# Altium PCB Discharge_B2.PcbDoc (part 2 of 2)
Units mm, origin at the board's own origin, x right, y up, seen from the top; angles counter-clockwise.
Board outline 152.4 x 81.92 mm, 4 copper layers (Top Layer, GND, PWR, Bottom Layer), stack 1.369 mm thick; 168 components, 108 nets, 541 pads, 466 vias.
Unrouted connection lines stored in the file: 8.
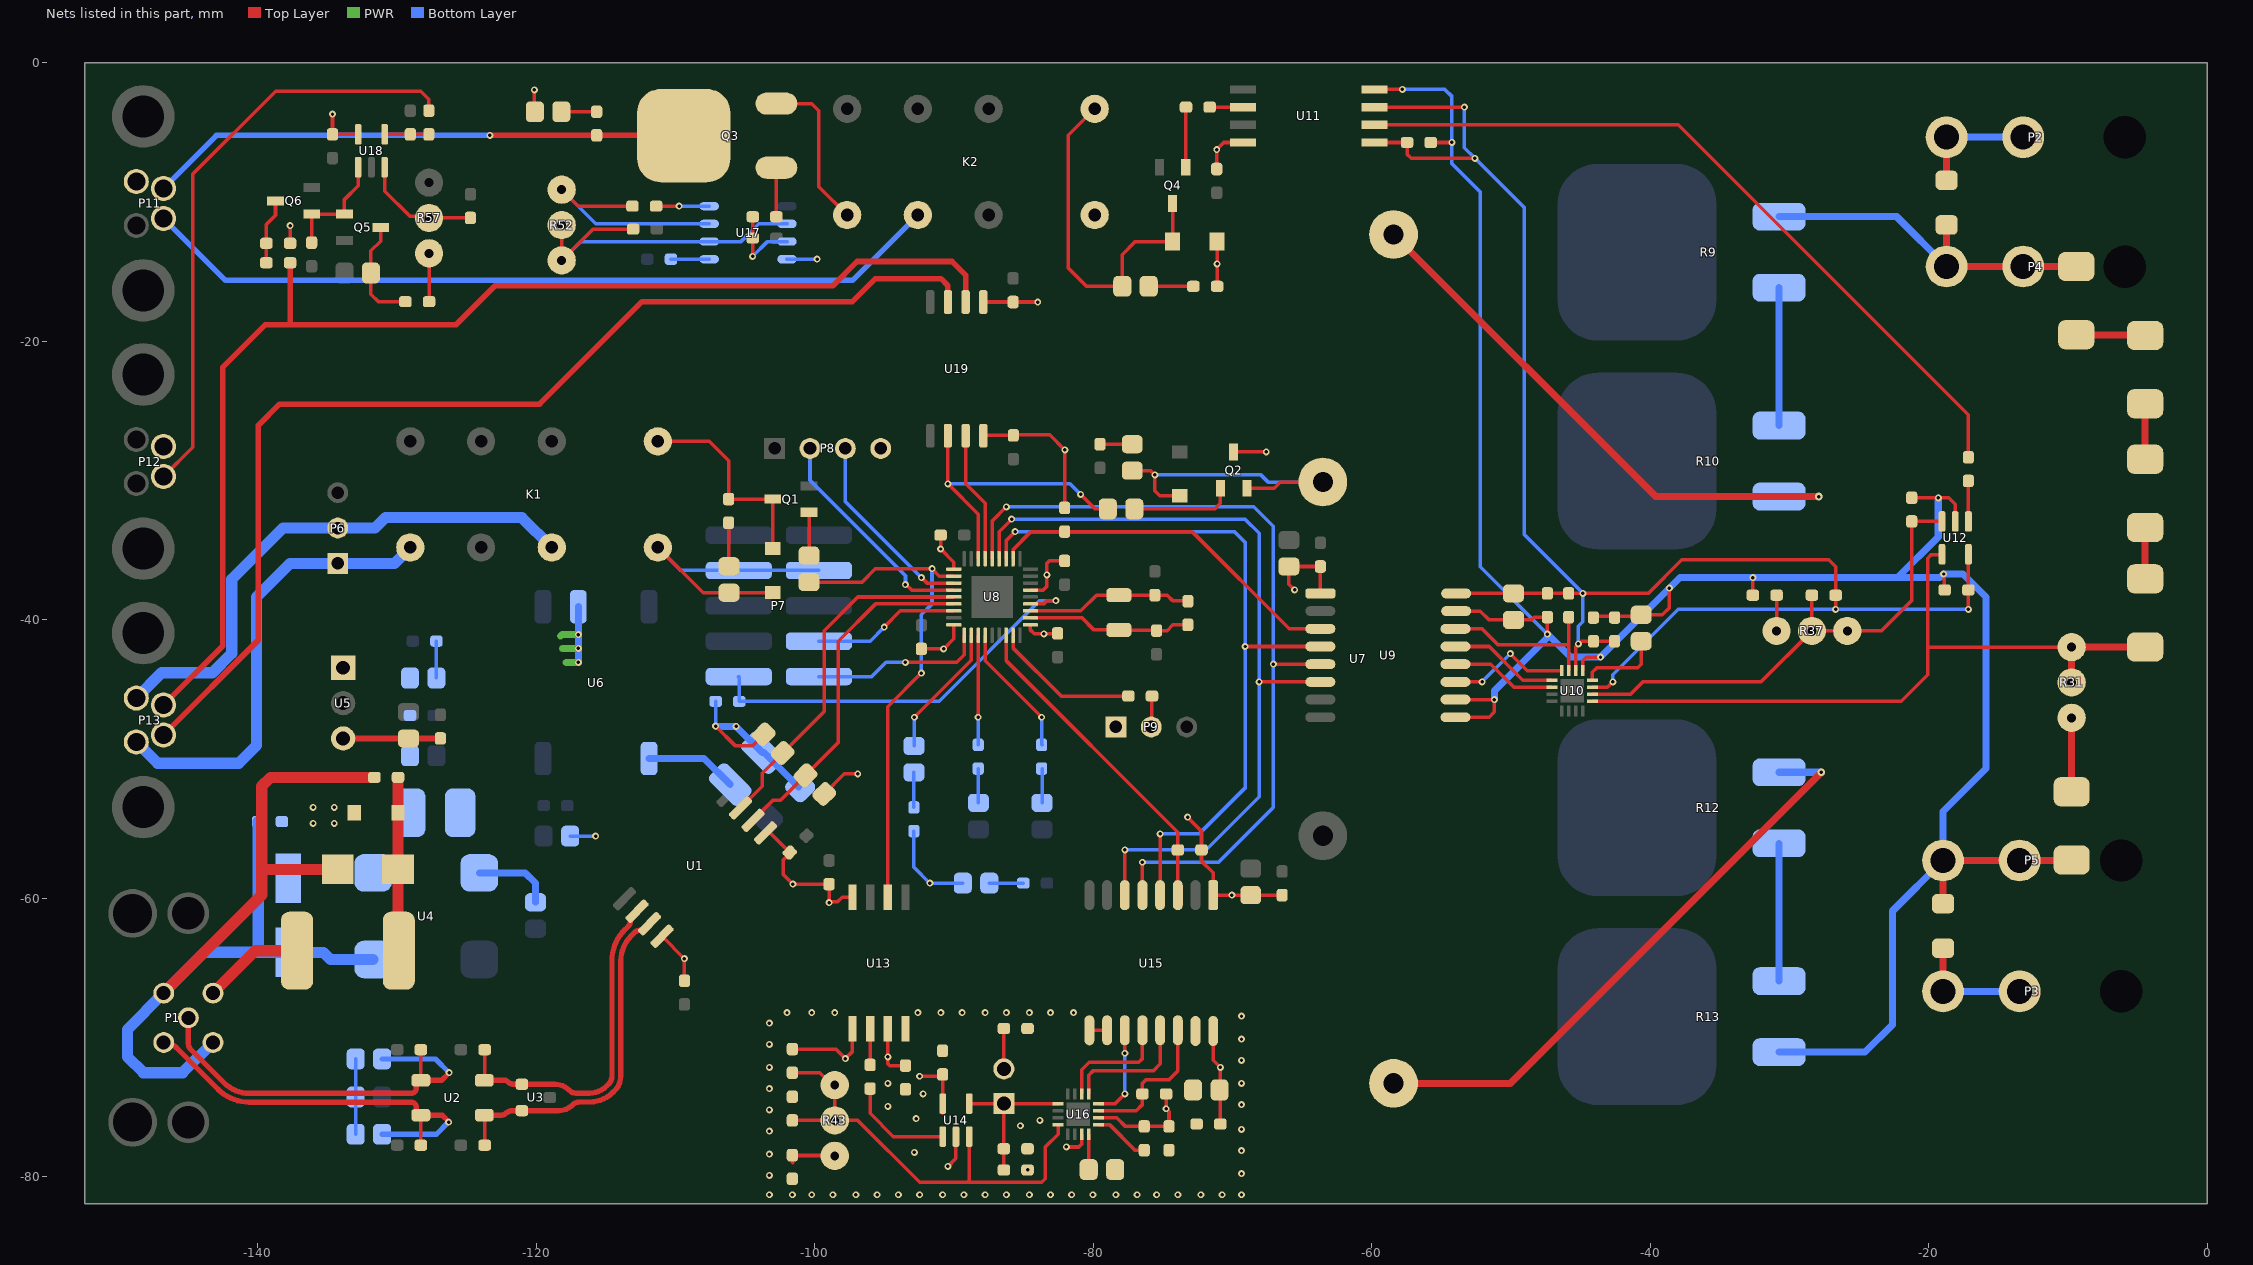
[diagram p4: the nets of this part, all layers, seen from the top]

## Via types
v1: diameter 0.5, hole 0.25, Top Layer to Bottom Layer, 464 vias
v2: diameter 0.55, hole 0.25, Top Layer to Bottom Layer, 2 vias

## Nets (pads, with @x,y where several pads share a name; then routed paths per layer and width w, separated by ;. In a path a pad name is that pad's centre, name@x,y a point inside that pad or via, vN(x,y) a via of type N, cw(c..) or ccw(c..) an arc to the next point about the centre after c; other vN are vias at no path point) (continued)
3V3: C2.2 C19.2 C20.2 C21.2 C22.2 C23.2 C28.1 C29.1 C39.2 C46.1 C47.1 C59.2 D5.A D6.A D7.K K1.1 L2.1 P7.7 P7.8 P8.4 P9.1 Q2.D R15.2 R18.2 R19.2 R20.2 R21.2 R22.2 U1.1 U8.1 U8.6 U8.19 U8.27 U9.1 U13.8 U15.1 U19.8 | length 99.5
  Top Layer w0.254: K1.1@-111.252,-34.798 -108.004,-38.046 D6.A@-106.146,-38.046 -103.019,-38.046 D7.K@-102.997,-38.024 ; v1(-107.11,-47.625) -105.713,-49.022 -104.45,-49.022 R19.2@-103.642,-48.213 ; U1.1@-103.526,-55.293 -103.481,-55.248 -103.239,-55.248 C2.2@-101.786,-56.701 -101.786,-56.768 -102.235,-57.217 -102.235,-58.293 v1(-101.551,-58.977) C39.2@-98.959,-58.977 v1(-98.959,-60.299) -98.912,-60.252 -98.352,-60.252 -98.018,-59.918 U13.8@-97.282,-59.918 ; R18.2@-99.304,-52.498 -97.861,-51.054 v1(-96.901,-51.054) ; C23.2@-92.329,-42.086 v1(-90.727,-42.086) -89.999,-41.358 U8.27@-89.999,-40.354 ; C22.2@-90.949,-33.909 v1(-90.949,-34.908) -89.999,-35.858 U8.19@-89.999,-36.354 ; U19.8@-87.884,-26.771 -87.861,-26.748 C59.2@-85.725,-26.748 -85.686,-26.709 -83.11,-26.709 v1(-82.024,-27.795) ; U8.6@-84.499,-37.854 -83.574,-37.854 -83.312,-37.592 v1(-83.312,-36.767) -83.312,-35.941 -83.136,-35.765 C20.2@-82.042,-35.765 ; U8.1@-84.497,-40.356 U8.1@-84.499,-40.354 -84.499,-40.723 -84.226,-40.996 v1(-83.528,-40.996) C21.2@-82.829,-40.996 ; R21.2@-82.042,-31.955 -82.042,-27.813 v1(-82.024,-27.795) ; v1@-82.006,-27.777 v1(-82.024,-27.795) ; v1(-73.215,-54.165) -72.214,-55.167 R22.2@-72.214,-56.515 -72.214,-57.326 -71.374,-58.166 U15.1@-71.374,-59.766 v1(-70.027,-59.766) C47.1@-68.681,-59.766 C46.1@-66.421,-59.766 ; Q2.D@-69.911,-27.94 v1(-67.564,-27.94) ; v1(-65.532,-37.846) -65.938,-37.44 C29.1@-65.938,-36.165 C28.1@-63.678,-36.165 U9.1@-63.678,-38.1
  Bottom Layer w0.254: K1.1@-111.252,-34.798 -109.601,-36.449 P7.7@-105.445,-36.449 P7.8@-99.695,-36.449 ; v1(-107.11,-47.625) R20.2@-107.11,-45.847 ; L2.1@-103.759,-49.53 L2.1@-103.638,-49.53 ; C19.2@-101.156,-52.013 C19.2@-101.035,-52.013 ; R15.2@-92.863,-55.167 -92.863,-57.759 v1(-91.72,-58.902) D5.A@-89.354,-58.902
  Bottom Layer w0.5: v1(-107.11,-47.625) -107.086,-47.649 v1(-105.64,-47.649) L2.1@-103.759,-49.53 ; L2.1@-103.638,-49.53 C19.2@-101.156,-52.013
5kW: P13.1 R60.1 U19.2 | length 89.3
  Top Layer w0.4: P13.1@-146.759,-46.118 -142.494,-41.853 -142.494,-21.844 -139.446,-18.796 -137.668,-18.796 ; R60.1@-137.668,-14.351 -137.668,-16.002 -137.668,-18.796 ; U19.2@-89.154,-17.171 -89.154,-15.24 -90.131,-14.263 -96.94,-14.263 -98.679,-16.002 -122.936,-16.002 -125.73,-18.796 -137.668,-18.796
5V: C1.2 C14.2 C15.2 C35.2 C56.2 C58.2 D4.A D13.A D14.K K2.1 P11.3 P12.1 R50.1 R54.2 R56.2 R57.1 R59.2 U1.8 U5.3 U6.2 U11.8 U17.4 U17.8 U18.5 U19.1 | length 46.1
  Top Layer w0.254: R59.2@-137.668,-12.954 v1(-137.668,-11.684) ; v1(-134.62,-3.683) C56.2@-134.62,-5.131 U18.5@-132.776,-5.131 ; R56.2@-127.686,-17.145 R57.1@-127.686,-13.675 ; D13.A@-120.142,-3.424 -120.115,-3.397 v1(-120.115,-1.932) ; R50.1@-111.379,-10.287 v1(-109.728,-10.287) ; U1.8@-110.95,-62.717 v1(-109.347,-64.321) C1.2@-109.347,-65.913 ; U19.1@-87.884,-17.171 C58.2@-85.743,-17.171 v1(-83.973,-17.171) ; C35.2@-71.12,-7.62 v1(-71.12,-6.223) -70.612,-5.715 U11.8@-69.241,-5.715 ; R54.2@-71.095,-16.043 D14.K@-71.095,-12.827
  Top Layer w0.4: U5.3@-133.858,-48.514 C15.2@-129.164,-48.514 C14.2@-126.873,-48.514
  PWR w0.5: -118.237,-41.148 -118.141,-41.052 v1(-116.967,-41.052) ; -118.11,-42.037 v1(-116.967,-42.037) ; -117.856,-43.053 v1(-116.967,-43.053)
  Bottom Layer w0.254: D4.A@-117.553,-55.525 v1(-115.723,-55.525) ; v1(-109.728,-10.287) U17.8@-107.569,-10.287 ; U17.4@-101.981,-14.097 v1(-99.822,-14.097)
  Bottom Layer w0.5: v1(-116.967,-43.053) v1(-116.967,-42.037) v1(-116.967,-41.052) U6.2@-116.967,-39.05
  other v1: -71.095,-14.435
BOOT0: P9.2 R23.1 | length 2.2
  Top Layer w0.254: P9.2@-75.819,-47.689 -75.795,-47.664 -75.795,-45.491 R23.1@-75.77,-45.466
CAN1_F_N: C5.2 U1.6 U2.3 U3.1 | length 24.6
  Top Layer w0.254: U2.3@-123.698,-73.043 C5.2@-123.698,-70.866
  Top Layer w0.381: U2.3@-123.72,-73.065 -122.257,-73.065 cw(c-122.257,-73.362) -122.047,-73.152 ccw(c-121.581,-72.686) -121.581,-73.345 U3.1@-121.015,-73.345 -118.669,-73.345 cw(c-118.669,-74.854) -117.602,-73.787 ccw(c-117.124,-73.309) -117.124,-73.985 -116.16,-73.985 ccw(c-116.16,-72.251) -114.934,-73.478 -114.785,-73.328 ccw(c-115.342,-72.771) -114.554,-72.771 -114.554,-64.491 cw(c-111.384,-64.491) -113.625,-62.249 -113.382,-62.006 ccw(c-113.766,-61.623) -113.224,-61.623 cw(c-112.682,-61.623) -113.065,-61.24 U1.6@-112.746,-60.921
CAN1_F_P: C6.2 U1.7 U2.4 U3.2 | length 25.1
  Top Layer w0.254: U2.4@-123.72,-75.565 -123.698,-75.587 C6.2@-123.698,-77.724
  Top Layer w0.381: U2.4@-123.72,-75.565 -122.481,-75.565 ccw(c-122.481,-75.131) -122.174,-75.438 cw(c-121.708,-75.904) -121.708,-75.245 U3.2@-121.015,-75.245 -118.415,-75.245 ccw(c-118.415,-73.736) -117.348,-74.803 cw(c-116.906,-75.245) -116.906,-74.62 -116.159,-74.62 ccw(c-116.159,-72.254) -115.881,-74.604 -115.855,-74.6 ccw(c-116.16,-72.251) -114.715,-74.128 -114.695,-74.113 ccw(c-116.159,-72.254) -114.486,-73.927 -114.334,-73.775 ccw(c-115.336,-72.774) -113.919,-72.774 -113.919,-64.493 cw(c-111.379,-64.493) -113.175,-62.697 -112.933,-62.455 cw(c-112.55,-62.839) -112.55,-62.297 ccw(c-112.55,-61.755) -112.167,-62.138 U1.7@-111.848,-61.819
CAN1_N: C3.2 P1.5 R2.1 U2.2 | length 30.3
  Top Layer w0.254: U2.2@-128.27,-73.065 C3.2@-128.27,-70.866
  Top Layer w0.381: P1.5@-144.971,-68.573 -144.971,-70.405 ccw(c-144.319,-70.405) -144.78,-70.866 -142.392,-73.254 ccw(c-140.596,-71.457) -140.596,-73.997 -128.981,-73.997 ccw(c-128.981,-73.616) -128.712,-73.886 ccw(c-128.981,-73.616) -128.6,-73.616 -128.6,-73.548 cw(c-128.054,-73.548) -128.44,-73.162 -128.395,-73.117 cw(c-128.27,-73.242) U2.2@-128.27,-73.065 -126.786,-73.065 v1(-126.238,-72.517)
  Bottom Layer w0.381: R2.1@-131.054,-71.527 -127.228,-71.527 v1(-126.238,-72.517)
CAN1_P: C4.2 P1.4 R1.2 U2.1 | length 30.2
  Top Layer w0.254: C4.2@-128.27,-77.724 U2.1@-128.27,-75.565
  Top Layer w0.381: P1.4@-146.741,-70.343 cw(c-146.741,-71.647) -145.819,-70.725 -142.841,-73.704 ccw(c-140.598,-71.461) -140.598,-74.633 -128.981,-74.632 cw(c-128.981,-75.013) -128.712,-74.744 cw(c-128.981,-75.013) -128.6,-75.013 -128.6,-75.082 ccw(c-128.054,-75.082) -128.44,-75.468 -128.395,-75.513 ccw(c-128.27,-75.388) U2.1@-128.27,-75.565 -126.746,-75.565 v1@-126.238,-76.073
  Bottom Layer w0.381: R1.2@-131.054,-76.936 -127.146,-76.936 v1(-126.281,-76.07)
CAN_RX_INDC: R17.2 U8.31 | length 9.6
  Top Layer w0.254: U8.31@-87.749,-41.104 -87.749,-42.934 v1(-83.693,-46.99)
  Bottom Layer w0.254: v1(-83.693,-46.99) -83.693,-48.947 R17.2@-83.667,-48.973
CAN_TX_INDC: R16.2 U8.30 | length 7.9
  Top Layer w0.254: v1(-88.249,-46.99) U8.30@-88.249,-41.104
  Bottom Layer w0.254: R16.2@-88.249,-48.973 v1(-88.249,-46.99)
CLK_ADC: U15.13 U16.13 | length 9.2
  Top Layer w0.254: U16.13@-80.313,-74.041 -80.313,-72.693 -80.01,-72.39 -75.692,-72.39 -75.184,-71.882 U15.13@-75.184,-69.468
CLK_HV: U9.13 U10.13 | length 7.9
  Top Layer w0.254: U9.13@-53.976,-41.91 -51.562,-41.91 -49.133,-44.339 U10.13@-47.047,-44.339
Clock: R51.1 R53.1 U17.3 | length 5.7
  Top Layer w0.254: v1(-104.443,-13.892) R53.1@-104.443,-12.573 R51.1@-104.443,-11.049
  Bottom Layer w0.254: v1(-104.443,-13.892) -103.378,-12.827 U17.3@-101.981,-12.827
CS_ADC: R45.1 U15.14 U16.11 | length 10.7
  Top Layer w0.254: U16.11@-79.613,-75.241 -76.892,-75.241 -76.454,-74.803 R45.1@-76.454,-74.041 -76.454,-73.279 -76.2,-73.025 -74.549,-73.025 -73.914,-72.39 U15.14@-73.914,-69.468
CS_HV: R26.1 U9.14 U10.11 | length 12.5
  Top Layer w0.254: U9.14@-53.976,-40.64 -52.07,-40.64 -50.927,-41.783 -45.91,-41.783 -45.847,-41.719 ; U10.11@-45.847,-43.639 -45.847,-41.719 ; R26.1@-45.847,-39.8 -45.847,-41.719
Discharge: R50.2 R52.3 U17.7 | length 17.2
  Top Layer w0.254: R52.3@-118.161,-9.103 -116.977,-10.287 R50.2@-113.079,-10.287
  Bottom Layer w0.254: R52.3@-118.161,-9.103 -115.707,-11.557 U17.7@-107.569,-11.557
DISCHARGE_DISABLE: P13.2 U19.3 | length 80.3
  Top Layer w0.4: P13.2@-146.759,-48.268 -139.954,-41.463 -139.954,-26.035 -138.425,-24.506 -119.756,-24.506 -112.395,-17.145 -97.282,-17.145 -95.631,-15.494 -90.932,-15.494 -90.424,-16.002 U19.3@-90.424,-17.171
GL_IN: K1.4 P6.2 P13.3 | length 39.2
  Bottom Layer w0.8: P13.3@-148.709,-45.618 -146.886,-43.795 -143.236,-43.795 -141.859,-42.418 -141.859,-37.084 -138.176,-33.401 P6.2@-134.239,-33.401 -131.572,-33.401 -130.81,-32.639 -121.031,-32.639 K1.4@-118.872,-34.798
GL_OUT: K1.8 P6.1 P13.4 | length 33
  Bottom Layer w0.8: P13.4@-148.709,-48.768 -147.185,-50.292 -141.351,-50.292 -140.081,-49.022 -140.081,-38.354 -137.668,-35.941 P6.1@-134.239,-35.941 -131.953,-35.941 -130.175,-35.941 K1.8@-129.032,-34.798
GLV+: F1.1 P1.2 | length 7.3
  Top Layer w0.8: P1.2@-143.201,-66.803 -140.152,-63.754 F1.1@-137.16,-63.754
GLV-: C11.1 C12.1 C13.1 D3.K P1.1 P1.3 U4.4 | length 70.6
  Top Layer w0.8: P1.3@-146.741,-66.803 -139.7,-59.762 -139.7,-57.912 ; D3.K@-134.251,-57.912 -139.7,-57.912 ; C11.1@-131.615,-51.308 -139.065,-51.308 -139.7,-51.943 -139.7,-57.912
  Bottom Layer w0.254: C13.1@-137.795,-63.864 C13.1@-137.778,-63.881
  Bottom Layer w0.8: P1.1@-143.201,-70.343 -145.375,-72.517 -148.209,-72.517 -149.352,-71.374 -149.352,-69.414 P1.3@-146.741,-66.803 -143.802,-63.864 -139.954,-63.864 ; C12.1@-139.954,-54.483 -139.954,-63.864 ; C13.1@-137.795,-63.864 -139.954,-63.864 ; C13.1@-137.778,-63.881 -135.255,-63.881 -134.75,-64.386 U4.4@-131.699,-64.386
GND_PDOC: C40.1 C41.1 C42.1 C43.1 C44.2 C45.2 C48.1 C49.1 C50.1 R41.1 R44.1 U13.4 U14.2 U15.9 U15.10 U15.15 U16.9 | length 7
  Top Layer w0.254: v1(-90.424,-79.248) -89.85,-78.674 U14.2@-89.85,-77.8 ; U15.9@-80.264,-69.469 U15.10@-78.994,-69.468 ; U16.9@-79.613,-76.241 -78.826,-76.241 -76.991,-78.076 C49.1@-76.327,-78.076
  other v1: -103.251,-81.28 -101.6,-81.28 -100.203,-81.28 -98.679,-81.28 -97.028,-81.28 -95.504,-81.28 -93.98,-81.28 -92.456,-81.28 -90.805,-81.28 -89.281,-81.28 -87.757,-81.28 -86.233,-81.28 -84.582,-81.28 -83.058,-81.28 -81.534,-81.28 -80.01,-81.28 -78.359,-81.28 -76.835,-81.28 -75.438,-81.28 -73.914,-81.28 -72.263,-81.28 -70.739,-81.28 -69.342,-81.28 -103.251,-79.883 -69.342,-79.756 -103.251,-78.359 -92.837,-78.232 -69.342,-78.105 -103.251,-76.708 -69.342,-76.581 -85.217,-76.327 -83.82,-75.946 -92.71,-75.819 -103.251,-75.184 -94.742,-74.93 -69.342,-74.803 -92.202,-74.041 -103.251,-73.66 -94.742,-73.279 -69.342,-73.279 -103.251,-72.136 -69.342,-71.628 -103.251,-70.485 -69.342,-70.104 -103.251,-68.961 -69.342,-68.453 -101.981,-68.199 -100.203,-68.199 -98.552,-68.199 -92.583,-68.199 -90.932,-68.199 -89.408,-68.199 -87.757,-68.199 -86.233,-68.199 -84.582,-68.199 -83.058,-68.199 -81.407,-68.199
HB: D10.K U8.29 | length 9.6
  Top Layer w0.254: v1(-92.837,-46.99) -88.749,-42.902 U8.29@-88.749,-41.104
  Bottom Layer w0.254: D10.K@-92.837,-49.025 v1(-92.837,-46.99)
HIGH_SENSE: P12.2 R58.1 | length 43.1
  Top Layer w0.254: P12.2@-146.759,-29.701 -144.653,-27.595 -144.653,-7.981 -138.704,-2.032 -128.27,-2.032 -127.701,-2.601 R58.1@-127.701,-3.431
"HV MC-": C26.2 C27.2 C30.1 C31.1 C32.1 C36.1 C37.1 C38.1 P5.1 P5.2 R13.2 R33.1 R38.1 R63.2 U9.9 U9.10 U9.15 U10.9 U11.4 U12.2 | length 183.1
  Top Layer w0.254: U11.4@-59.791,-1.905 v1(-57.785,-1.905) ; C36.1@-55.753,-5.715 v1(-54.229,-5.715) ; U9.10@-53.976,-45.72 v1(-51.181,-45.72) -51.181,-46.609 -51.562,-46.99 U9.9@-53.975,-46.99 ; U9.15@-53.925,-39.37 -52.197,-39.37 -51.567,-40 C27.2@-49.81,-40 -48.509,-40 -48.309,-39.8 C26.2@-47.371,-39.8 v1(-47.371,-41.021) ; U10.9@-44.847,-43.639 -44.845,-43.637 -44.845,-42.94 -44.577,-42.672 v1(-43.561,-42.672) ; C32.1@-44.069,-39.829 -43.969,-39.729 -40.74,-39.729 C30.1@-40.64,-39.629 -39.121,-39.629 -38.608,-39.116 v1(-38.608,-37.719) ; R38.1@-32.617,-38.227 v1(-32.617,-36.957) ; C37.1@-21.209,-31.231 -18.553,-31.231 -18.087,-31.697 U12.2@-18.087,-32.931 ; v1(-18.923,-36.703) -18.884,-36.742 -18.884,-37.807 C38.1@-18.845,-37.846 ; R33.1@-9.764,-57.277 R33.1@-9.728,-57.241
  Top Layer w0.508: R63.2@-18.962,-60.376 P5.2@-18.962,-57.277 P5.1@-13.462,-57.277 R33.1@-9.764,-57.277
  Bottom Layer w0.254: v1(-57.785,-1.905) -54.737,-1.905 -54.229,-2.413 v1(-54.229,-5.715) -54.229,-7.239 -52.197,-9.271 -52.197,-36.195 v1(-47.371,-41.021)
  Bottom Layer w0.508: v1(-51.181,-45.72) -51.181,-45.085 -47.371,-41.275 v1(-47.371,-41.021) -45.72,-42.672 v1(-43.561,-42.672) v1(-38.608,-37.719) -37.846,-36.957 v1(-32.617,-36.957) -22.225,-36.957 ; R13.2@-30.737,-71.042 -24.56,-71.042 -22.606,-69.088 -22.606,-60.921 P5.2@-18.962,-57.277 -18.962,-53.76 -15.875,-50.673 -15.875,-38.354 -17.526,-36.703 v1(-18.923,-36.703) -19.177,-36.957 -22.225,-36.957 ; v1(-19.304,-31.242) -19.304,-34.036 -22.225,-36.957
HV_MC+: P4.1 P4.2 R9.1 R25.2 R62.2 | length 25.8
  Top Layer w0.508: R62.2@-18.708,-11.633 P4.2@-18.708,-14.622 P4.1@-13.208,-14.622 R25.2@-9.398,-14.622
  Bottom Layer w0.508: R9.1@-30.737,-11.043 -22.287,-11.043 P4.2@-18.708,-14.622
HVVDD: C26.1 C27.1 C31.2 C32.2 C36.2 C38.2 R26.2 R35.2 U9.16 U10.7 U10.10 U11.1 U11.3 U12.5 | length 126.6
  Top Layer w0.254: U11.1@-59.791,-5.715 C36.2@-57.453,-5.715 -57.453,-6.555 -57.15,-6.858 v1(-52.578,-6.858) ; U11.3@-59.791,-3.175 v1(-53.34,-3.175) ; U9.16@-53.925,-38.1 C27.1@-49.81,-38.1 C26.1@-47.371,-38.1 R26.2@-45.847,-38.1 v1(-44.831,-38.1) -40.132,-38.1 -37.719,-35.687 -27.178,-35.687 -26.673,-36.192 -26.673,-39.24 v1(-26.67,-39.243) ; U10.10@-45.347,-43.639 -45.347,-41.918 v1(-45.153,-41.724) -44.958,-41.529 C32.2@-44.069,-41.529 C31.2@-42.545,-41.529 ; U10.7@-44.147,-44.839 -43.061,-44.839 v1(-42.672,-44.45) ; v1(-17.145,-39.243) C38.2@-17.145,-37.846 -17.141,-37.842 -17.141,-35.297 U12.5@-17.137,-35.293
  Bottom Layer w0.254: v1(-53.34,-3.175) -53.34,-6.096 v1(-52.578,-6.858) -49.022,-10.414 -49.022,-33.874 -44.831,-38.065 v1(-44.831,-38.1) -44.831,-40.132 -45.153,-40.454 v1(-45.153,-41.724) ; v1(-42.672,-44.45) -42.672,-43.942 -37.973,-39.243 v1(-26.67,-39.243) v1(-17.145,-39.243)
MISO_ADC: U15.11 U16.12 | length 6.8
  Top Layer w0.254: U16.12@-79.613,-74.741 -78.424,-74.741 v1(-77.724,-74.041) ; v1(-77.724,-71.12) U15.11@-77.724,-69.468
  Bottom Layer w0.254: v1(-77.724,-74.041) v1(-77.724,-71.12)
MISO_HV: U9.11 U10.12 | length 9
  Top Layer w0.254: U9.11@-53.976,-44.45 v1(-52.07,-44.45) ; v1(-50.038,-42.418) -48.817,-43.639 U10.12@-46.347,-43.639
  Bottom Layer w0.254: v1(-52.07,-44.45) v1(-50.038,-42.418)
MOSI_ADC: U15.12 U16.14 | length 8.5
  Top Layer w0.254: U16.14@-80.813,-74.041 -80.813,-72.304 -80.264,-71.755 -76.708,-71.755 -76.454,-71.501 U15.12@-76.454,-69.468
MOSI_HV: U9.12 U10.14 | length 7.6
  Top Layer w0.254: U9.12@-53.976,-43.18 -51.435,-43.18 -49.776,-44.839 U10.14@-47.047,-44.839
NetC7_2: C7.2 R1.1 R2.2 | length 5.4
  Bottom Layer w0.254: R1.1@-132.954,-76.936 C7.2@-132.954,-74.263 R2.2@-132.954,-71.527
NetC8_2: C8.2 L1.2 U4.2 | length 5.7
  Bottom Layer w0.5: U4.2@-124.079,-58.166 -120.777,-58.166 -120.041,-58.902 C8.2@-120.041,-60.276
NetC11_2: C11.2 D1.A D3.A F1.2 | length 12.5
  Top Layer w0.254: F1.2@-129.915,-63.699 F1.2@-129.86,-63.754
  Top Layer w0.8: F1.2@-129.915,-63.699 -129.915,-57.658 D1.A@-129.915,-53.848 C11.2@-129.915,-51.308
NetC24_2: C24.2 R24.1 U8.2 X1.1 | length 11.8
  Top Layer w0.254: U8.2@-84.499,-39.854 -80.796,-39.854 -79.929,-40.721 X1.1@-78.149,-40.721 -78.126,-40.744 -75.461,-40.744 C24.2@-75.438,-40.767 -74.676,-40.767 -74.269,-40.36 R24.1@-73.196,-40.36
NetC25_2: C25.2 R24.2 U8.3 X1.2 | length 12
  Top Layer w0.254: U8.3@-84.499,-39.354 -80.883,-39.354 -79.75,-38.221 X1.2@-78.149,-38.221 C25.2@-75.565,-38.221 -74.682,-38.221 -74.295,-38.608 -73.248,-38.608 R24.2@-73.196,-38.66
NetC30_2: C30.2 U10.8 | length 6
  Top Layer w0.254: U10.8@-44.147,-44.339 -44.147,-43.766 -43.815,-43.434 -40.894,-43.434 -40.64,-43.18 C30.2@-40.64,-41.529
NetC37_2: C37.2 R35.1 R37.1 R37.2 U10.6 U12.3 | length 36.1
  Top Layer w0.254: U10.6@-44.147,-45.339 -41.402,-45.339 -40.513,-44.45 -32.034,-44.45 R37.2@-28.377,-40.793 ; R35.1@-28.377,-38.227 R37.2@-28.377,-40.793 ; U12.3@-19.037,-32.931 C37.2@-21.209,-32.931 -21.209,-38.608 -23.394,-40.793 R37.1@-25.837,-40.793 R37.2@-28.377,-40.793
NetC40_2: C40.2 P10.2 R39.1 U14.4 U16.1 | length 11.1
  Top Layer w0.254: U14.4@-88.9,-74.741 P10.2@-86.409,-74.741 ; R39.1@-86.409,-79.502 C40.2@-86.409,-77.978 P10.2@-86.409,-74.741 ; U16.1@-82.513,-74.741 P10.2@-86.409,-74.741
NetC43_2: C43.2 R42.1 R43.1 R43.2 U14.3 U16.4 | length 33.2
  Top Layer w0.254: C43.2@-101.6,-75.946 R43.2@-98.552,-75.946 ; R42.1@-101.6,-72.517 -99.639,-72.517 R43.1@-98.75,-73.406 ; R43.1@-98.75,-73.914 -98.552,-73.914 R43.2@-98.552,-75.946 ; U14.3@-88.9,-77.103 -88.9,-80.242 -89.049,-80.391 ; U16.4@-82.513,-76.241 -82.513,-76.925 -83.439,-77.851 -83.439,-80.137 -83.693,-80.391 -89.049,-80.391 ; R43.2@-98.552,-75.946 -96.901,-75.946 -92.456,-80.391 -89.049,-80.391
NetC48_2: C48.2 U16.8 | length 2.5
  Top Layer w0.254: C48.2@-80.313,-79.476 U16.8@-80.313,-76.941
NetC53_2: C53.2 U17.5 | length 2.7
  Bottom Layer w0.254: C53.2@-110.314,-14.097 U17.5@-107.569,-14.097
NetC55_2: C55.2 R57.2 U18.3 | length 8.7
  Top Layer w0.254: U18.3@-130.876,-7.493 -130.876,-9.205 -129.083,-10.998 -127.823,-10.998 R57.2@-127.686,-11.135 C55.2@-124.714,-11.135
NetC57_2: C57.2 R58.2 U18.4 | length 3.4
  Top Layer w0.254: U18.4@-130.876,-5.131 -128.839,-5.131 R58.2@-127.508,-5.131
NetD2_K: D2.K R3.2 | length 2.6
  Bottom Layer w0.254: D2.K@-127.154,-44.17 R3.2@-127.154,-41.529
NetD5_K: D5.K R6.2 | length 2.4
  Bottom Layer w0.254: D5.K@-87.454,-58.902 R6.2@-85.012,-58.902
NetD6_K: D6.K R7.2 | length 3.1
  Top Layer w0.254: R7.2@-106.172,-33.02 -106.172,-36.12 D6.K@-106.146,-36.146
NetD7_A: D7.A K1.16 Q1.D R7.1 | length 15.1
  Top Layer w0.254: K1.16@-111.252,-27.178 -107.569,-27.178 -106.172,-28.575 R7.1@-106.172,-31.32 Q1.D@-102.997,-31.32 D7.A@-102.997,-34.874
NetD8_A: D8.A D9.K Q2.S U7.2 | length 22.7
  Top Layer w0.254: D8.A@-77.19,-29.283 -75.873,-29.283 v1(-75.565,-29.591) -75.565,-30.734 -75.209,-31.09 D9.K@-73.787,-31.09 ; Q2.S@-68.961,-30.54 -66.989,-30.54 -66.548,-30.099 U7.2@-63.5,-30.099
  Bottom Layer w0.254: v1(-75.565,-29.591) -67.945,-29.591 -67.437,-30.099 U7.2@-63.5,-30.099
NetD8_K: D8.K R11.2 | length 2.3
  Top Layer w0.254: R11.2@-79.502,-27.383 D8.K@-77.19,-27.383
NetD10_A: D10.A R15.1 | length 2.5
  Bottom Layer w0.254: R15.1@-92.863,-53.467 D10.A@-92.863,-50.952
NetD11_A: D11.A R16.1 | length 2.5
  Bottom Layer w0.254: D11.A@-88.249,-53.14 R16.1@-88.249,-50.673
NetD12_A: D12.A R17.1 | length 2.5
  Bottom Layer w0.254: D12.A@-83.667,-53.14 R17.1@-83.667,-50.673
NetD13_K: D13.K R49.2 | length 2.5
  Top Layer w0.254: D13.K@-118.11,-3.556 -118.061,-3.507 R49.2@-115.648,-3.507
NetD14_A: D14.A D15.K K2.16 Q4.D | length 25.7
  Top Layer w0.254: K2.16@-79.883,-3.302 -81.788,-5.207 -81.788,-14.732 -80.477,-16.043 D15.K@-77.904,-16.043 -77.904,-13.769 -76.962,-12.827 D14.A@-74.295,-12.827 Q4.D@-74.295,-10.093
NetD15_A: D15.A R54.1 | length 3.2
  Top Layer w0.254: D15.A@-76.004,-16.043 R54.1@-72.795,-16.043
NetD16_A: D16.A Q5.D R56.1 | length 7.8
  Top Layer w0.254: Q5.D@-131.161,-11.806 -131.161,-12.797 -131.861,-13.497 D16.A@-131.861,-15.087 -131.861,-16.602 -131.318,-17.145 R56.1@-129.386,-17.145
NetK2_8: K2.8 Q3.S | length 11.6
  Top Layer w0.254: Q3.S@-102.743,-2.921 -100.203,-2.921 -99.695,-3.429 -99.695,-8.89 K2.8@-97.663,-10.922
NetL2_2: L2.2 U6.5 | length 6.6
  Bottom Layer w0.5: U6.5@-111.887,-49.95 -107.935,-49.95 L2.2@-106.057,-51.828
NetP2_1: P2.1 P2.2 R62.1 | length 8.6
  Top Layer w0.508: R62.1@-18.708,-8.433 P2.2@-18.708,-5.334
  Bottom Layer w0.508: P2.2@-18.708,-5.334 P2.1@-13.208,-5.334
NetP3_1: P3.1 P3.2 R63.1 | length 8.6
  Top Layer w0.508: P3.2@-18.962,-66.675 R63.1@-18.962,-63.576
  Bottom Layer w0.508: P3.2@-18.962,-66.675 P3.1@-13.462,-66.675
NetP10_1: P10.1 R41.2 | length 3
  Top Layer w0.254: P10.1@-86.409,-72.303 R41.2@-86.409,-69.342
NetQ1_G: Q1.G R8.2 | length 3.1
  Top Layer w0.254: R8.2@-100.397,-35.384 Q1.G@-100.397,-32.27
NetQ2_G: Q2.G R14.2 | length 7.4
  Top Layer w0.254: R14.2@-77.04,-32.03 -71.273,-32.03 -70.861,-31.618 Q2.G@-70.861,-30.54
NetQ3_G: Q3.G R51.2 | length 2.8
  Top Layer w0.254: R51.2@-102.743,-11.049 Q3.G@-102.743,-8.283
NetQ4_G: Q4.G R55.2 | length 4.4
  Top Layer w0.254: R55.2@-73.533,-3.175 -73.345,-3.363 Q4.G@-73.345,-7.493
NetQ5_G: Q5.G Q6.G R61.2 U18.1 | length 8.2
  Top Layer w0.254: R61.2@-136.114,-12.905 Q6.G@-136.114,-10.856 Q5.G@-133.761,-10.856 -133.761,-9.809 -132.776,-8.824 U18.1@-132.776,-7.493
NetQ6_D: Q6.D R59.1 R60.2 | length 4.7
  Top Layer w0.254: R60.2@-139.368,-14.351 R59.1@-139.368,-12.954 -139.368,-11.606 -138.714,-10.952 Q6.D@-138.714,-9.906
NetR8_1: R8.1 U8.20 U13.6 | length 35.9
  Top Layer w0.254: R8.1@-100.397,-37.284 -96.593,-37.284 -95.631,-36.322 v1(-91.567,-36.322) -91.035,-36.854 U8.20@-89.999,-36.854 ; U13.6@-94.742,-59.918 -94.742,-46.228 v1(-92.329,-43.815)
  Bottom Layer w0.254: v1(-92.329,-43.815) -92.329,-39.624 -91.567,-38.862 v1(-91.567,-36.322)
NetR9_2: R9.2 R10.1 | length 9.9
  Bottom Layer w0.508: R10.1@-30.737,-26.043 R9.2@-30.737,-16.143
NetR10_2: R10.2 U7.1 | length 41.2
  Top Layer w0.508: U7.1@-58.42,-12.319 -39.596,-31.143 v2(-27.886,-31.143)
  Bottom Layer w0.508: R10.2@-30.737,-31.143 v2(-27.886,-31.143)
NetR12_1: R12.1 U7.4 | length 43
  Top Layer w0.508: U7.4@-58.42,-73.279 -50.038,-73.279 v2(-27.701,-50.942)
  Bottom Layer w0.508: R12.1@-30.737,-50.942 v2(-27.701,-50.942)
NetR12_2: R12.2 R13.1 | length 9.9
  Bottom Layer w0.508: R13.1@-30.737,-65.942 R12.2@-30.737,-56.042
NetR14_1: R14.1 U8.16 U19.6 | length 22
  Top Layer w0.254: U19.6@-90.424,-26.771 v1(-90.424,-30.226) -88.249,-32.401 U8.16@-88.249,-35.604 ; v1(-80.899,-30.988) -79.857,-32.03 R14.1@-78.94,-32.03
  Bottom Layer w0.254: v1(-90.424,-30.226) -81.661,-30.226 v1(-80.899,-30.988)
NetR18_1: R18.1 U1.2 U8.24 | length 25.1
  Top Layer w0.254: U1.2@-104.424,-54.395 -102.988,-52.959 -102.452,-52.959 R18.1@-100.648,-51.154 -98.298,-48.805 -98.298,-41.529 -95.623,-38.854 U8.24@-89.999,-38.854
NetR19_1: R19.1 U1.3 U8.23 | length 25.5
  Top Layer w0.254: U1.3@-105.322,-53.497 -103.759,-51.934 -103.759,-51.017 R19.1@-102.298,-49.557 -99.314,-46.572 -99.314,-40.767 -96.901,-38.354 U8.23@-89.999,-38.354
NetR21_1: R21.1 U8.11 U9.3 | length 26.2
  Top Layer w0.254: U8.11@-85.749,-35.604 -85.749,-34.949 -84.455,-33.655 -72.898,-33.655 -65.913,-40.64 U9.3@-63.678,-40.64
NetR22_1: R22.1 U8.34 U15.3 | length 23.8
  Top Layer w0.254: U8.34@-86.249,-41.104 -86.249,-42.91 -73.914,-55.245 U15.3@-73.914,-59.766
NetR23_2: R23.2 U8.35 | length 10.6
  Top Layer w0.254: U8.35@-85.749,-41.104 -85.749,-42.013 -82.296,-45.466 R23.2@-77.47,-45.466
NetR25_1: R25.1 R28.2 | length 5
  Top Layer w0.254: R25.1@-9.398,-19.522 R25.1@-9.372,-19.549 ; R28.2@-4.471,-19.549 R28.2@-4.445,-19.575
  Top Layer w0.508: R25.1@-9.372,-19.549 R28.2@-4.471,-19.549
NetR28_1: R28.1 R29.2 | length 4
  Top Layer w0.508: R29.2@-4.445,-28.465 R28.1@-4.445,-24.475
NetR29_1: R29.1 R30.2 | length 3.7
  Top Layer w0.508: R30.2@-4.445,-37.051 R29.1@-4.445,-33.365
NetR30_1: R30.1 R31.2 R31.3 U10.5 U12.4 | length 52.6
  Top Layer w0.254: U10.5@-44.147,-45.839 -21.963,-45.839 -20.066,-43.942 -20.066,-41.91 ; U12.4@-19.037,-35.293 -19.05,-35.306 -19.812,-35.306 -20.066,-35.56 -20.066,-41.91 ; R31.3@-9.728,-41.951 -20.025,-41.951 -20.066,-41.91
  Top Layer w0.508: R31.2@-9.728,-44.491 R31.3@-9.728,-41.951 R30.1@-4.445,-41.951
NetR31_1: R31.1 R33.2 | length 5.3
  Top Layer w0.508: R33.2@-9.728,-52.341 R31.1@-9.728,-47.031
NetR36_1: R36.1 U12.1 | length 2.9
  Top Layer w0.254: R36.1@-17.145,-30.021 -17.141,-30.025 -17.141,-32.927 U12.1@-17.137,-32.931
NetR36_2: R36.2 U11.2 | length 54.3
  Top Layer w0.254: U11.2@-59.791,-4.445 -37.973,-4.445 -17.145,-25.273 R36.2@-17.145,-28.321
NetR37_3: R37.3 R38.2 | length 2.6
  Top Layer w0.254: R37.3@-30.917,-40.793 R38.2@-30.917,-38.227
NetR40_1: R40.1 U14.1 | length 7.7
  Top Layer w0.254: R40.1@-96.012,-73.66 -96.012,-75.438 -94.347,-77.103 U14.1@-90.8,-77.103
NetR40_2: R40.2 U13.2 | length 2.7
  Top Layer w0.254: R40.2@-96.012,-71.96 U13.2@-96.012,-69.241
NetR43_3: R43.3 R44.2 | length 3.1
  Top Layer w0.254: -101.6,-78.945 -101.576,-78.969 ; R44.2@-101.576,-78.461 R43.3@-98.577,-78.461 ; R43.3@-98.577,-78.969 R43.3@-98.552,-78.994
NetR55_1: R55.1 U11.6 | length 2.6
  Top Layer w0.254: R55.1@-71.882,-3.175 U11.6@-69.241,-3.175
NetU8_12: U8.12 U9.4 U15.4 | length 54
  Top Layer w0.254: U8.12@-86.249,-35.604 -86.249,-34.303 -85.601,-33.655 v1(-85.598,-33.655) ; U15.4@-75.184,-59.766 v1(-75.184,-55.372) ; v1(-69.088,-41.91) U9.4@-63.678,-41.91
  Bottom Layer w0.254: v1(-85.598,-33.655) -69.85,-33.655 -69.088,-34.417 v1(-69.088,-41.91) -69.088,-52.07 -72.39,-55.372 v1(-75.184,-55.372)
NetU8_13: U8.13 U9.6 U15.6 | length 59.2
  Top Layer w0.254: U8.13@-86.749,-35.604 -86.749,-33.663 v1(-85.852,-32.766) ; U15.6@-77.724,-59.766 v1(-77.724,-56.515) ; v1(-68.072,-44.45) U9.6@-63.678,-44.45
  Bottom Layer w0.254: v1(-85.852,-32.766) -69.088,-32.766 -68.072,-33.782 v1(-68.072,-44.45) -68.072,-52.705 -71.882,-56.515 v1(-77.724,-56.515)
NetU8_14: U8.14 U9.5 U15.5 | length 60.9
  Top Layer w0.254: U8.14@-87.249,-35.604 -87.249,-32.893 v1(-86.233,-31.877) ; U15.5@-76.454,-59.766 v1(-76.454,-57.404) ; v1(-67.056,-43.18) U9.5@-63.678,-43.18
  Bottom Layer w0.254: v1(-86.233,-31.877) -68.453,-31.877 -67.056,-33.274 v1(-67.056,-43.18) -67.056,-53.467 -70.993,-57.404 v1(-76.454,-57.404)
NetU8_15: U8.15 U19.7 | length 9.4
  Top Layer w0.254: U19.7@-89.154,-26.771 -89.154,-30.226 -87.749,-31.631 U8.15@-87.749,-35.604
NRST: P7.1 R20.1 U8.4 | length 29.5
  Top Layer w0.254: U8.4@-84.499,-38.854 -83.558,-38.854 -83.312,-38.608 v1(-82.677,-38.608)
  Bottom Layer w0.254: P7.1@-105.469,-44.093 P7.1@-105.445,-44.069 -105.41,-44.104 R20.1@-105.41,-45.847 -91.059,-45.847 -83.82,-38.608 v1(-82.677,-38.608)
SWCLK: P7.2 U8.28 | length 12.5
  Top Layer w0.254: v1(-93.472,-43.053) -89.789,-43.053 -89.249,-42.513 U8.28@-89.249,-41.104
  Bottom Layer w0.254: P7.2@-99.695,-44.069 -95.885,-44.069 -94.869,-43.053 v1(-93.472,-43.053)
SWDIO: P7.4 U8.25 | length 10.6
  Top Layer w0.254: v1(-94.996,-40.513) -93.837,-39.354 U8.25@-89.999,-39.354
  Bottom Layer w0.254: P7.4@-99.695,-41.529 -96.012,-41.529 v1(-94.996,-40.513)
Trigger: C54.2 R52.1 R52.2 U17.2 U17.6 | length 25.9
  Top Layer w0.254: R52.2@-118.161,-11.643 R52.1@-118.161,-14.183 -115.916,-11.938 C54.2@-113.03,-11.938
  Bottom Layer w0.254: R52.1@-118.161,-14.183 -116.805,-12.827 U17.6@-107.569,-12.827 -105.283,-12.827 -104.013,-11.557 U17.2@-101.981,-11.557
TSAL_GREEN: K2.6 P11.2 | length 58
  Bottom Layer w0.4: P11.2@-146.759,-11.167 -142.305,-15.621 -97.282,-15.621 K2.6@-92.583,-10.922
TSAL_RED: P11.1 Q3.D R49.1 | length 38.9
  Top Layer w0.254: Q3.D@-109.407,-5.207 Q3.D@-109.393,-5.221
  Top Layer w0.4: v1(-123.317,-5.207) R49.1@-115.648,-5.207 Q3.D@-109.407,-5.207
  Bottom Layer w0.4: P11.1@-146.759,-9.017 -142.949,-5.207 v1(-123.317,-5.207)
UART_RX: P8.2 U8.22 | length 16.3
  Top Layer w0.254: v1(-93.472,-37.465) -93.405,-37.465 -93.016,-37.854 U8.22@-89.999,-37.854
  Bottom Layer w0.254: P8.2@-100.33,-27.686 -100.33,-29.972 -93.472,-36.83 v1(-93.472,-37.465)
UART_TX: P8.3 U8.21 | length 14
  Top Layer w0.254: v1(-92.329,-36.957) -91.932,-37.354 U8.21@-89.999,-37.354
  Bottom Layer w0.254: P8.3@-97.79,-27.686 -97.79,-31.496 v1(-92.329,-36.957)
VBAT_D: C12.2 C13.2 D1.K U4.1
  other v1: -136.017,-54.61 -134.493,-54.61 -136.017,-53.467 -134.493,-53.467
VBAT_F: C9.2 C10.2 D2.A L1.1 U5.1
VDD_PDOC: C41.2 C42.2 C44.1 C45.1 C49.2 C50.2 R39.2 R42.2 R45.2 U13.1 U13.3 U14.5 U15.16 U16.7 U16.10 | length 30.9
  Top Layer w0.254: R42.2@-101.6,-70.817 -98.474,-70.817 v1(-97.79,-71.501) -97.282,-70.993 U13.1@-97.282,-69.241 ; U13.3@-94.742,-69.241 v1(-94.742,-71.374) -94.742,-71.86 -94.593,-72.009 C41.2@-93.472,-72.009 ; v1(-92.456,-72.771) -90.932,-72.771 C42.2@-90.805,-72.644 -90.802,-72.647 U14.5@-90.802,-74.8 ; U14.5@-90.802,-75.435 U14.5@-90.8,-75.438 ; v1(-81.915,-77.851) -81.026,-77.851 -80.813,-77.638 U16.7@-80.813,-76.941 ; U16.10@-79.613,-75.741 -78.31,-75.741 -77.675,-76.376 C49.2@-76.327,-76.376 C50.2@-74.549,-76.376 -74.549,-75.311 v1(-74.754,-75.106) R45.2@-74.754,-74.041 ; U15.16@-71.374,-69.519 -71.374,-71.628 v1(-70.866,-72.136) C44.1@-70.866,-76.2
  other v1: -84.709,-79.502
pads on no net: D4.K K1.6 K1.9 K1.11 K1.13 K2.9 K2.11 K2.13 P1.15 P2. P3. P4. P5. P6.3 P7.3 P7.9 P7.10 P11.MH1 P11.MH2 P12.3 P12.MH1 P12.MH2 P13.MH1 P13.MH2 R5.2 R9. R10. R12. R13. U6.8 U8.7 U8.8 U8.9 U8.10 U8.17 U8.32 U8.33 U9.7 U10.1 U10.2 U10.3 U10.4 U10.15 U10.16 U10.17 U15.7 U16.2 U16.3 U16.5 U16.6 U16.15 U16.16 U16.17

## Polygon pours and split planes (outlines as drawn)
0V_(ISO) on Top Layer "5V_TOP_1" (solid, pour order 69): -61.849,-25.019 -61.849,-61.595 -102.489,-61.595 -112.776,-51.308 -112.776,-26.67 -111.125,-25.019
GND_PDOC on Top Layer "5V_TOP_1" (solid, pour order 62): -68.707,-67.691 -68.707,-81.915 -104.013,-81.915 -104.013,-68.707 -102.997,-67.691
0V on Top Layer "5V_TOP_1" (solid, pour order 59): -112.331,-56.451 -106.68,-62.103 -106.68,-81.915 -127.381,-81.915 -152.4,-81.915 -152.4,-72.898 -152.4,-71.12 -152.4,0 -67.691,0 -67.691,-18.923 -111.379,-18.923 -116.078,-23.622 -116.078,-52.705
VBAT_D on Top Layer "5V_TOP_1" (solid, pour order 52): -132.588,-53.34 -133.223,-52.705 -137.795,-52.705 -138.43,-53.34 -138.43,-55.372 -133.223,-55.372 -132.588,-54.737
0V on Bottom Layer "5V_TOP_1" (solid, pour order 63): -112.331,-56.451 -106.68,-62.103 -106.68,-81.915 -127.381,-81.915 -152.4,-81.915 -152.4,-72.898 -152.4,-71.12 -152.4,0 -67.691,0 -67.691,-18.923 -111.379,-18.923 -116.078,-23.622 -116.078,-52.705
NetC8_2 on Bottom Layer "5V_TOP_1" (solid, pour order 49): -126.746,-51.816 -126.746,-56.007 -125.984,-56.769 -125.984,-59.309 -125.603,-59.69 -122.973,-59.69 -122.593,-59.31 -122.593,-52.413 -123.19,-51.816
0V_(ISO) on Bottom Layer "5V_TOP_1" (solid, pour order 70): -61.849,-25.019 -61.849,-61.595 -102.489,-61.595 -112.776,-51.308 -112.776,-26.67 -111.125,-25.019
GND_PDOC on Bottom Layer "5V_TOP_1" (solid, pour order 68): -68.707,-67.691 -68.707,-81.915 -104.013,-81.915 -104.013,-68.707 -102.997,-67.691
VBAT_F on Bottom Layer "5V_TOP_1" (solid, pour order 58): -127.889,-55.245 -128.27,-55.626 -129.921,-55.626 -130.175,-55.372 -130.175,-45.72 -131.572,-44.323 -134.747,-44.323 -135.001,-44.069 -135.001,-42.418 -134.874,-42.291 -132.461,-42.291 -131.445,-43.307 -128.651,-43.307 -128.27,-43.688 -128.27,-52.07 -127.889,-52.451
VBAT_D on Bottom Layer "New_Vbatd" (solid, pour order 53): -131.064,-56.261 -134.62,-52.705 -137.795,-52.705 -138.811,-53.721 -138.811,-58.928 -138.303,-59.436 -131.064,-59.436
0V_(ISO) on GND "5V_TOP_1" (solid, pour order 67): -61.849,-25.019 -61.849,-61.595 -102.489,-61.595 -112.776,-51.308 -112.776,-26.67 -111.125,-25.019
GND_PDOC on GND "5V_TOP_1" (solid, pour order 64): -68.707,-67.691 -68.707,-81.915 -104.013,-81.915 -104.013,-68.707 -102.997,-67.691
0V on GND "5V_TOP_1" (solid, pour order 61): -112.331,-56.451 -106.68,-62.103 -106.68,-81.915 -127.381,-81.915 -152.4,-81.915 -152.4,-72.898 -152.4,-71.12 -152.4,0 -67.691,0 -67.691,-18.923 -111.379,-18.923 -116.078,-23.622 -116.078,-52.705
3V3 on PWR "5V_TOP_1" (solid, pour order 66): -63.119,-26.289 -63.119,-60.325 -101.981,-60.325 -111.506,-50.8 -111.506,-26.289
5V on PWR "5V_TOP_1" (solid, pour order 60): -107.95,-62.738 -107.95,-80.772 -151.257,-80.772 -151.257,-1.27 -69.342,-1.27 -69.342,-17.653 -112.014,-17.653 -117.348,-22.987 -117.348,-53.34
VDD_PDOC on PWR "5V_TOP_1" (solid, pour order 65): -69.977,-68.707 -69.977,-80.645 -102.616,-80.645 -102.616,-68.707

## Other copper
Top Layer:
  pour cut-out: -81.182,-37.494 -80.42,-37.494 -78.105,-35.179 -73.025,-35.179 -71.501,-36.703 -71.501,-41.783 -73.279,-43.561 -78.105,-43.561 -78.359,-43.307 -79.121,-43.307 -78.105,-44.323 -73.152,-44.323 -70.866,-42.037 -70.866,-36.322 -72.898,-34.29 -77.978,-34.29 -80.137,-36.449
  pour cut-out: -80.01,-40.259 -80.01,-38.862 -72.5,-38.862 -72.488,-38.85 -72.488,-40.17

## Silkscreen, mask and mechanical layers (free items; w line width, h text height)
Top Overlay:
  region: -27.261,-62.624 -25.571,-63.106 -25.773,-62.593 -24.711,-62.897 -24.711,-63.125 -24.312,-62.726 -24.711,-62.327 -24.711,-62.51 -26.305,-62.009 -25.986,-62.646 -27.261,-62.009
  region: -27.134,-10.681 -25.444,-11.163 -25.646,-10.65 -24.584,-10.954 -24.584,-11.182 -24.185,-10.783 -24.584,-10.384 -24.584,-10.567 -26.178,-10.066 -25.859,-10.703 -27.134,-10.066
  lines w0.254: -106.68,-81.915 -106.68,-62.103 -116.078,-52.705 -116.078,-23.622 -111.379,-18.923 -110.871,-18.923 -67.691,-18.923 -67.691,-0.127 ; -104.013,-81.915 -104.013,-68.707 -102.997,-67.691 -68.707,-67.691 -68.707,-81.788 ; -61.849,-56.896 -61.849,-61.595 -66.04,-61.595 -102.489,-61.595 -112.776,-51.308 -112.776,-46.228 -112.776,-43.815 -112.776,-37.973 -112.776,-26.67 -111.125,-25.019 -109.093,-25.019 -61.849,-25.019 -61.849,-28.702 ; -61.849,-54.229 -61.849,-31.496 ; -61.116,-0.156 -61.116,-0.606 -61.116,-12.671 -60.96,-12.827 -55.753,-18.034 -55.753,-67.691 -60.452,-72.39 -60.452,-73.279 -60.452,-81.788
  lines w0.486: -23.797,-65.776 -23.797,-59.297 ; -23.797,-65.686 -29.286,-62.469 -23.797,-59.207 ; -23.67,-13.833 -23.67,-7.354 ; -23.67,-13.743 -29.159,-10.526 -23.67,-7.264
  text "HV TEST POINT +" at -19.431,-2.032 h1.2
  text "HIGH VOLTAGE" at -21.59,-16.129 h1 r90
  text "HV MC +" at -19.431,-19.558 h1.2
  text "HV MC -" at -19.812,-53.848 h1.2
  text "HIGH VOLTAGE" at -21.717,-68.072 h1 r90
  text "HV TEST POINT -" at -19.812,-72.009 h1.2
Bottom Overlay:
  drawing of 61 lines, arcs and shapes, not listed
  text "HV TEST POINT +" at -1.27,-10.795 h1.2
  text "TSAL" at -143.891,-12.192 h1.2 r270
  text "TSAL FREQ ADJUST" at -97.663,-17.526 h1
  text "HIGH VOLTAGE" at -21.59,-17.653 h1 r90
  text "5kW REF ADJUST" at -122.301,-18.161 h1
  text "HV MC +" at -5.461,-19.558 h1.2
  text "UART" at -88.646,-28.321 h1
  text "CURRENT SENSE" at -143.891,-36.322 h1.2 r270
  text "TSAL REF ADJUST" at -19.939,-44.704 h1.2
  text "BOOT" at -72.009,-45.593 h1
  text "JTAG" at -97.917,-47.879 h1
  text "HIGH VOLTAGE" at -21.717,-47.879 h1 r90
  text "GL" at -143.891,-48.387 h1.2 r270
  text "BIAS ADJUST" at -1.27,-52.324 h1.2
  text "PC13" at -91.313,-55.626 h1 r270
  text "CAN TX" at -86.614,-55.626 h1 r270
  text "CAN RX" at -81.788,-55.626 h1 r270
  text "HV MC -" at -7.112,-62.738 h1.2
  text "HV TEST POINT -" at -1.27,-72.009 h1.2
  text "Team Swinburne" at -2.321,-76.354 h3.05
  text "UNIVERSAL" at -140.97,-77.089 h1.2 r270
  text "Formula SAE" at -2.321,-77.878 h1.78
  text "Discharge B2 Sample" at -2.286,-78.867 h1.02
  text "CAN TERM" at -135.763,-78.994 h1 r270
  text "PDOC REF ADJUST" at -81.28,-80.01 h1
  text "24/01/2024 - L.D" at -2.286,-80.01 h1.02
Mechanical 1:
  lines w0.254: -152.4,-81.915 -152.4,0 0,0 0,-68.199 0,-81.915 -152.4,-81.915